# Altium PCB MPPT.PcbDoc (part 1 of 2) (continued)
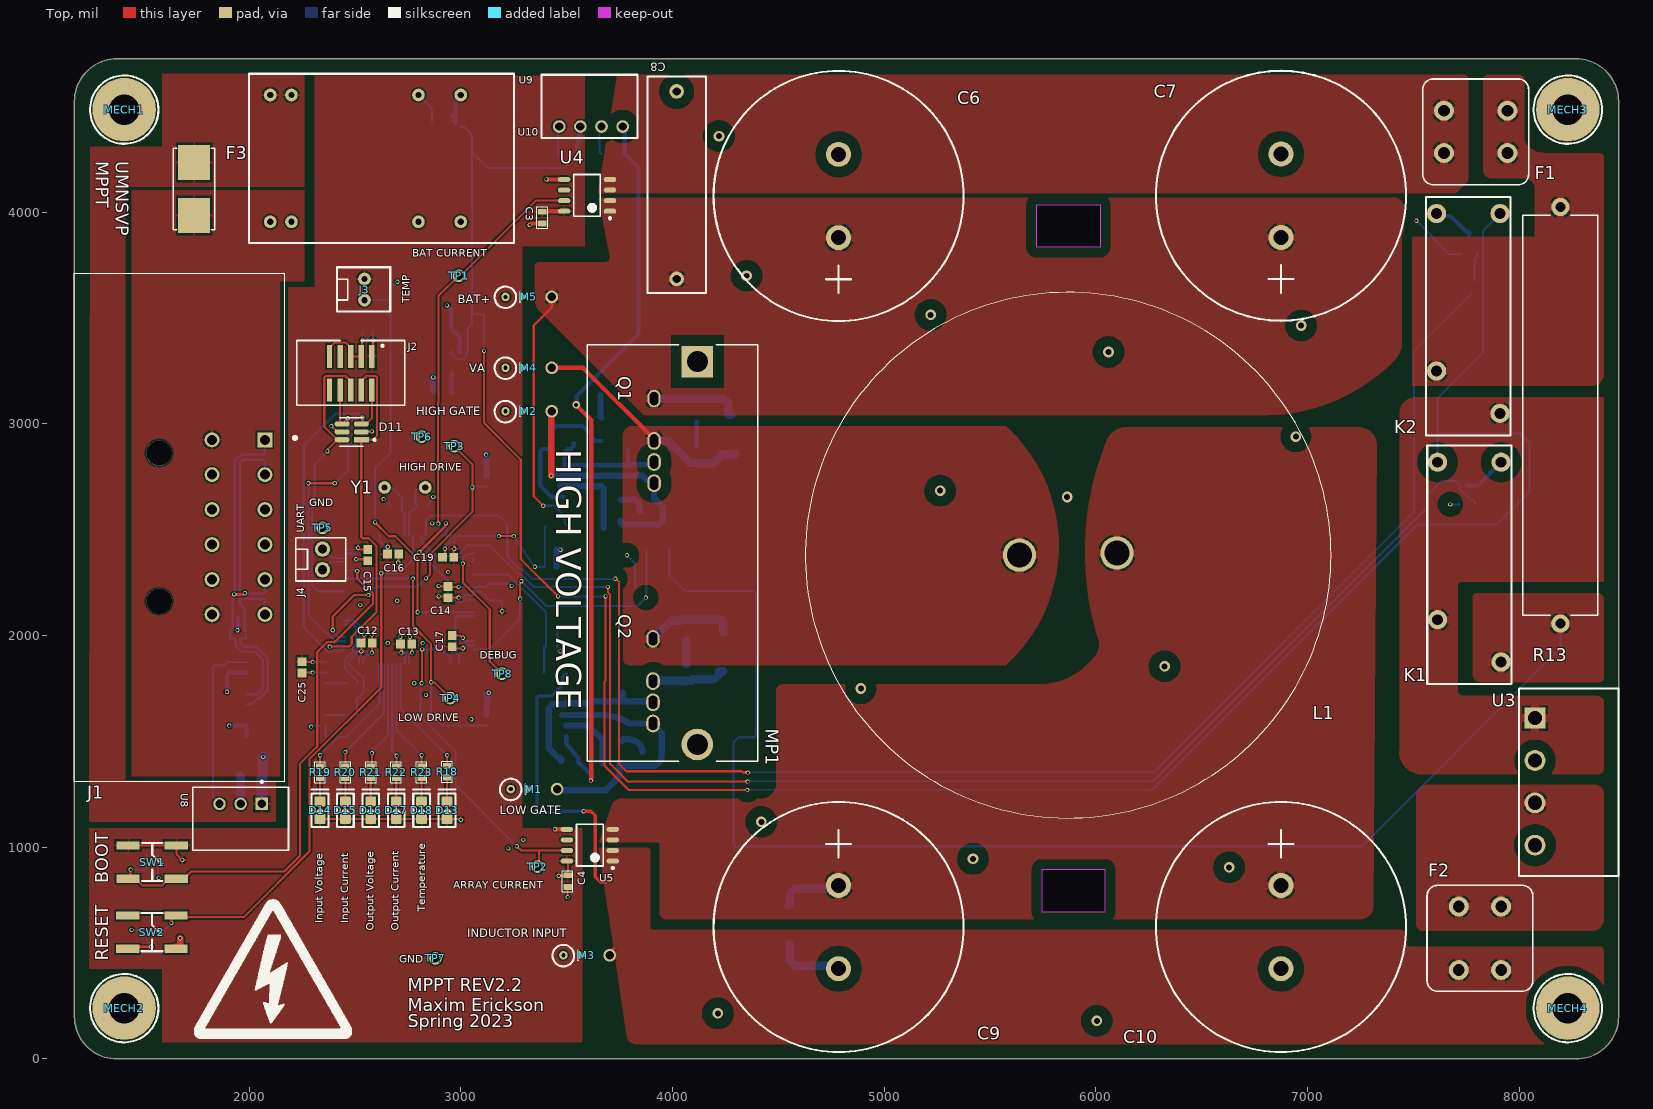
[diagram p0: Top view]
## Components (designator, comment, footprint, x,y, rotation, side; value= is the part's Value field where it differs from the comment)
C1 "C1206X334K5RACAUTO" 1206_CAPACITOR 3479.13,2910 r180 bottom value=330nF
C2 "CAP 0805 1uF 50V" 0805_Capacitor 3515,1410 r0 bottom value=1µF
C3 "C0603C473K4RECAUTO" 0603_CAPACITOR 3385,3975 r90 top value=47nF
C4 "C0603C473K4RECAUTO" 0603_CAPACITOR 3505,840 r90 top value=47nF
C5 "C0805C681K2RAC7800" 0805_Capacitor 4115,2855 r90 bottom value=680pF
C6 "381LR681M200K022" 381LR681M200J032-Footprint-1 4785,4273.7 r270 top value=680µF
C7 "381LR681M200K022" 381LR681M200J032-Footprint-1 6875,4275 r270 top value=680µF
C8 "684MMR400K" 684MMR400K-Footprint-1 4020,4570.83 r270 top value=680nF
C9 "381LR681M200K022" 381LR681M200J032-Footprint-1 4785,426.3 r90 top value=680µF
C10 "381LR681M200K022" 381LR681M200J032-Footprint-1 6875,426.3 r90 top value=680µF
C11 "C0805C681K2RAC7800" 0805_Capacitor 4065,1825 r90 bottom value=680pF
C12 "Capacitor 0.1uF +/-10% 50 V 0603" CAPC1608X90X40ML10T20 2555,1965 r180 top value=100nF
C13 "Capacitor 0.1uF +/-10% 50 V 0603" CAPC1608X90X40ML10T20 2741.57,1960 r180 top value=100nF
C14 "Capacitor 0.1uF +/-10% 50 V 0603" CAPC1608X90X40ML10T20 2940,2205 r270 top value=100nF
C15 "Capacitor 0.1uF +/-10% 50 V 0603" CAPC1608X90X40ML10T20 2560,2380 r90 top value=100nF
C16 "Capacitor 0.1uF +/-10% 50 V 0603" CAPC1608X90X40ML10T20 2680,2385 r180 top value=100nF
C17 "Capacitor 0.1uF +/-10% 50 V 0603" CAPC1608X90X40ML10T20 2960,1973.43 r270 top value=100nF
C18 "CAP 0805 1uF 50V" 0805_Capacitor 3190,2205 r90 bottom value=1µF
C19 "Capacitor 0.1uF +/-10% 50 V 0603" CAPC1608X90X40ML10T20 2940,2370 r0 top value=100nF
C20 "Capacitor 0.1uF +/-10% 50 V 0603" CAPC1608X90X40ML10T20 1542.44,965 r180 bottom value=100nF
C21 "Capacitor 0.1uF +/-10% 50 V 0603" CAPC1608X90X40ML10T20 1542.44,610 r0 bottom value=100nF
C22 "Capacitor 18pF 0603 50V 10%" 0603_CAPACITOR 2690,2615 r0 bottom value=18pF
C23 "Capacitor 18pF 0603 50V 10%" 0603_CAPACITOR 2820,2615 r180 bottom value=18pF
C24 "Capacitor 0.1uF +/-10% 50 V 0603" CAPC1608X90X40ML10T20 2560,3440 r0 bottom value=100nF
C25 "Capacitor 0.1uF +/-10% 50 V 0603" CAPC1608X90X40ML10T20 2250,1850 r90 top value=100nF
C26 "Capacitor 0.1uF +/-10% 50 V 0603" CAPC1608X90X40ML10T20 1895,1845 r270 bottom value=100nF
C27A "Capacitor 13pF 0603 5% 50V" 0603_CAPACITOR 3430,1930 r180 bottom value=13pF (schematic designator C27)
C27B "Capacitor 13pF 0603 5% 50V" 0603_CAPACITOR 3425,2405 r180 bottom value=13pF (schematic designator C27)
C27C "Capacitor 13pF 0603 5% 50V" 0603_CAPACITOR 3850,2225 r0 bottom value=13pF (schematic designator C27)
C28 "Cap Cerem 10uF 10% 50V" 1210_Capacitor 2010,1340 r0 bottom value=10µF
C29 "Cap Cerem 10uF 10% 50V" 1210_Capacitor 2920,4420 r180 bottom value=10µF
C30 "CAP 0805 1uF 50V" 0805_Capacitor 3510,4275 r180 bottom value=1µF
C31 "Cap Cerem 10uF 10% 50V" 1210_Capacitor 3720,4275 r0 bottom value=10µF
C32 "CAP 0805 1uF 50V" 0805_Capacitor 2910,3155 r0 bottom value=1µF
C33 "CAP 0805 1uF 50V" 0805_Capacitor 2995,3455 r0 bottom value=1µF
D1 "SS1H20LW RVG" PMEG4010ER,115-Footprint-1 3550,3150 r0 bottom
D2 "TPSMF4L18A" TPSMF4L18A-Footprint-1 3600,2698.23 r90 bottom
D3 "PMEG4010ER,115" PMEG4010ER,115-Footprint-1 3960.24,2585 r180 bottom
D4 "PMEG4010ER,115" PMEG4010ER,115-Footprint-1 3970,1445 r180 bottom
D5 "TPSMF4L18A" TPSMF4L18A-Footprint-1 3600,1568.23 r90 bottom
D6 "TPSMF4L18A" TPSMF4L18A-Footprint-1 3790,2752.35 r90 bottom
D7 "TPSMF4L18A" TPSMF4L18A-Footprint-1 3765,1603.23 r90 bottom
D8 "SMB6F170AY" SMB6F170AY-Footprint-1 4280,3042.68 r270 bottom
D9 "SMB6F170AY" SMB6F170AY-Footprint-1 4553.47,724.49 r270 bottom
D10 "SMB6F170AY" SMB6F170AY-Footprint-1 4240,2015 r270 bottom
D11 "ESDA6V1BC6" FP-SOT23-6L-IPC_A 2484.69,2962.6 r180 top
D12 "ESDCAN24-2BLY" SOT23-3 1947.6,2046.34 r90 bottom
D13 "LED_0805_GREEN" 0805_LED_Green 2935,1175.01 r270 top value=GREEN
D14 "D_LED_0805_BLUE" 0805_LED_Blue 2335,1175.01 r270 top value=BLUE
D15 "LED_0805_RED" 0805_LED_Red 2455,1175.01 r270 top value=RED
D16 "LED_0805_GREEN" 0805_LED_Green 2575,1175.01 r270 top value=GREEN
D17 "D_LED_0805_YELLOW" 0805_LED_Yellow 2695,1175.01 r270 top value=Amber
D18 "D_LED_0805_YELLOW" 0805_LED_Yellow 2815,1175.01 r270 top value=Amber
F1 "F_3101.0040" F_FPG4 7795,4380 r90 top value=?
F2 "F_3101.0040" F_FPG4 7815,570 r0 top value=?
F3 "F_0142_1A" 0154_FUSE_HOLDER 1740,4110 r270 top
J1 "DTM13-12PA" TE_DTM13-12PA 1574.8,2512.6 r270 top locked
J2 "3221-10-0300-00" 3221-10-0300-00-Footprint-1 2580,3319.06 r180 top
J3 "J_640454-2" 640454-2 2545,3635 r270 top
J4 "J_640456-2" J_640456-2 2346.65,2360 r90 top
K1 "J117F1AS5VDC" J117F1AS5VDC-Footprint 7615,2819.09 r90 top
K2 "J117F1AS5VDC" J117F1AS5VDC-Footprint 7610,3994.09 r90 top
L1 "ATCA-08-471M-H" ATCA-08-471M-H-Footprint-1 5869.69,2380 r180 top value=470uH
M1 "Probe tip connection" "Probe tip connection-Footprint-1" 3455,1275 r180 top
M2 "Probe tip connection" "Probe tip connection-Footprint-1" 3430,3060 r180 top
M3 "Probe tip connection" "Probe tip connection-Footprint-1" 3703.7,490 r180 top
M4 "Probe tip connection" "Probe tip connection-Footprint-1" 3430,3265 r180 top
M5 "Probe tip connection" "Probe tip connection-Footprint-1" 3430,3600 r180 top
MECH1 "MECH_STANDOFF_6-32_0.625in" STANDOFF_6-32_0.625in 1410,4485 r0 top
MECH2 "MECH_STANDOFF_6-32_0.625in" STANDOFF_6-32_0.625in 1410,240 r0 top
MECH3 "MECH_STANDOFF_6-32_0.625in" STANDOFF_6-32_0.625in 8230,4485 r0 top
MECH4 "MECH_STANDOFF_6-32_0.625in" STANDOFF_6-32_0.625in 8230,240 r0 top
MP1 "C247-050-2AE" FP-C247-050-2AE-MFG 4000,2390 r270 top
Q1 "UJ4SC075006K4S" "T_TO_247_4L_UNITEDSIC - Vertical" 3913.15,3120 r270 top
Q2 "UJ4SC075006K4S" "T_TO_247_4L_UNITEDSIC - Vertical" 3908.15,1985 r270 top
Q3 "NVTR4503NT1G" SOT-23_N 7755,2665 r90 bottom
Q4 "NVTR4503NT1G" SOT-23_N 7765,3850 r90 bottom
R1 "R_CRCW12102R70JNEA" 1210_Resistor 3665,2995 r90 bottom value=2.7
R2 "RMCF0805JT39R0" 0805_Resistor 3715,2530 r0 bottom value=39
R3 "CRCW08054R02FKEA" 0805_Resistor 3715,2640 r0 bottom value=4.02
R4 "RMCF0805JT39R0" 0805_Resistor 3720,1390 r0 bottom value=39
R5 "CRCW08054R02FKEA" 0805_Resistor 3720,1500 r0 bottom value=4.02
R6 "Resistor 1210 10 ohm 1%" 1210_Resistor 4115,3065 r90 bottom value=10
R7 "Resistor 1210 10 ohm 1%" 1210_Resistor 4065,2020 r90 bottom value=10
R8 "Res 0603 100K ohm 1%" 0603_RESISTOR 1542.44,895 r180 bottom value=100k
R9 "Res 0603 22.1 ohm 1%" 0603_RESISTOR 2487.56,1775 r180 bottom value=22
R10 "Res 0603 22.1 ohm 1%" 0603_RESISTOR 2482.56,1625 r180 bottom value=22
R11A "Resistor 200K 1206 1% 1/4W" 1206_RESISTOR 3445,1820 r0 bottom value=200k (schematic designator R11)
R11B "Resistor 200K 1206 1% 1/4W" 1206_RESISTOR 3455,2515 r0 bottom value=200k (schematic designator R11)
R11C "Resistor 200K 1206 1% 1/4W" 1206_RESISTOR 3930,2415 r0 bottom value=200k (schematic designator R11)
R12A "Resistor 4.22k 0603 0.1W 1%" 0603_RESISTOR 3430,2010 r180 bottom value=4.22k (schematic designator R12)
R12B "Resistor 4.22k 0603 0.1W 1%" 0603_RESISTOR 3425,2325 r180 bottom value=4.22k (schematic designator R12)
R12C "Resistor 4.22k 0603 0.1W 1%" 0603_RESISTOR 3850,2300 r0 bottom value=4.22k (schematic designator R12)
R13 "SQPW10220RJ" R_Res_Axial_SQP_THRU 8195,3040.75 r270 top value=220
R14 "R 0603 220 ohm 1%" 0603_RESISTOR 7565,2640 r90 bottom value=220
R15 "Resistor 100k +/-1% 0603 100 mW" RESC1608X55X25ML10T15 7695,2760.47 r270 bottom value=100k
R16 "R 0603 220 ohm 1%" 0603_RESISTOR 7790,3642.56 r90 bottom value=220
R17 "Resistor 100k +/-1% 0603 100 mW" RESC1608X55X25ML10T15 7760,3740 r0 bottom value=100k
R18 "Res 0603 1K ohm 1%" 0603_RESISTOR 2935,1357.57 r270 top value=1k
R19 "Res 0603 1K ohm 1%" 0603_RESISTOR 2335,1355.01 r270 top value=1k
R20 "Res 0603 1K ohm 1%" 0603_RESISTOR 2455,1355.01 r270 top value=1k
R21 "Res 0603 1K ohm 1%" 0603_RESISTOR 2575,1355.01 r270 top value=1k
R22 "Res 0603 1K ohm 1%" 0603_RESISTOR 2695,1355.01 r270 top value=1k
R23 "Res 0603 1K ohm 1%" 0603_RESISTOR 2815,1355.01 r270 top value=1k
R24 "Res 0603 10K ohm 1%" 0603_RESISTOR 2670,3615 r270 bottom value=10k
SW1 "SW_TACT_SWITCH_6x6" TACT_SWITCH_6x6_J-LEAD 1542.44,930 r180 top
SW2 "SW_TACT_SWITCH_6x6" TACT_SWITCH_6x6_J-LEAD 1540.83,598.74 r180 top
TP1 "TEST POINT PC MINI .040\"D WHITE" "TEST POINT 0.040\" WHITE" 2990,3700 r0 top
TP2 "TEST POINT PC MINI .040\"D WHITE" "TEST POINT 0.040\" WHITE" 3362.13,908.78 r0 top
TP3 "TEST POINT PC MINI .040\"D WHITE" "TEST POINT 0.040\" WHITE" 2970,2895 r0 top
TP4 "TEST POINT PC MINI .040\"D WHITE" "TEST POINT 0.040\" WHITE" 2950,1705 r0 top
TP5 "TEST POINT PC MINI .040\"D BLACK" "TEST POINT 0.040\" BLACK"#1 2355,2535 r0 top
TP6 "TEST POINT PC MINI .040\"D BLACK" "TEST POINT 0.040\" BLACK"#2 2815,2940 r0 top
TP7 "TEST POINT PC MINI .040\"D BLACK" "TEST POINT 0.040\" BLACK"#2 2880,475 r0 top
TP8 "TEST POINT PC MINI .040\"D WHITE" "TEST POINT 0.040\" WHITE" 3195,1820 r90 top
U1 "ADUM4121ARIZ" FP-RI-8-1-IPC_B 3310,2730 r0 bottom
U2 "ADUM4121ARIZ" FP-RI-8-1-IPC_B 3310,1600 r0 bottom
U3 "1757268" 1757268-Footprint-1 8075,1610 r270 top
U4 "TMCS1101A2UQDRQ1" SOIC127P610X173-8N 3596.73,4080 r180 top
U5 "TMCS1101A2UQDRQ1" SOIC127P610X173-8N 3610,1010 r180 top
U6 "STM32G473VET6" TSQFP50P1600X1600X160-100N 2755,2170 r270 bottom locked
U7 "ADM3050EBRWZ" SOIC127P1030X265-16N 2175,1700 r180 bottom
U8 "R-785.0-0.5" REPO-R-78XX-3_V 1960,1205 r180 top
U9 "DH06S2405A" DH06S2405A-Footprint-1 2100,4554.21 r180 top
U10 "RI-0515S/P" ROE-2405S-Footprint-1 3465,4405 r0 top
U11 "LP5907MFX-3.3/NOPB" FP-DBV0005A-MFG 2995,3290 r270 bottom
Y1 "ECS-80-18-4X-CKM" ECS-80-18-4X-CKM-Footprint-1 2832.13,2700 r180 top

## Footprints (in the part's own frame and the unit in brackets; to place one, negate y for a bottom-side part, rotate by r counter-clockwise, add the part's x,y. Pads: shape width x height; smd on the part's side, far side on the other; paste and mask are expansions set on the pad)
0154_FUSE_HOLDER [mm] "FUSE BLOK CARTRIDGE 125V 10A SMD"
  rect 4.24x3.81 smd: 1(-3.185,0) 2(3.185,0)
  silkscreen extent -4.9,-2.5 4.9,2.5, body extent -4.91,-2.51 4.92,2.51, height 3.81
381LR681M200J032-Footprint-1 [mm]
  round 3 hole 1.8: 1(0,0) 2(10,0)
  silkscreen extent -10,-15 20,15, body extent -10.5,-15.5 20.5,15.5, height 32.1
0603_CAPACITOR [mm] "0603 Capacitor"
  rect 0.7x1 smd: 1(-0.7,0) 2(0.7,0)
  silkscreen extent -1.27,-0.64 1.27,0.64, body extent -0.8,-0.4 0.8,0.4, height 0.3
0603_RESISTOR [mm] "0603 RESISTOR"
  rect 0.7x1 smd: 1(-0.7,0) 2(0.7,0)
  silkscreen extent -1.27,-0.64 1.27,0.64, body extent -0.8,-0.4 0.8,0.4, height 0.3
684MMR400K-Footprint-1 [mm]
  round 1.75 hole 1: 1(0,0) 2(22.5,0)
  silkscreen extent -1.8,-3.5 24.2,3.5, body extent -1.78,-3.56 24.13,3.56, height 16
0805_Capacitor [mil] "0805 Capacitor"
  rect 45x60 smd: 1(-40,0) 2(40,0)
  silkscreen extent -70,-37 70,37, body extent -39,-25 39,25, height 30
0805_LED_Blue [mm] "Chip Capacitor; Body 2.0 x 1.2 mm (LxW typ)"
  rrect25% 1.2x1.3 smd: 1(1.05,0) 2(-1.05,0)
  silkscreen extent -2.5,-1 2,1, body extent -1.02,-0.64 0.99,0.61, height 0.79
0805_LED_Green [mm] "Chip Capacitor; Body 2.0 x 1.2 mm (LxW typ)"
  rrect25% 1.2x1.3 smd: 1(1.05,0) 2(-1.05,0)
  silkscreen extent -2.5,-1 2,1, body extent -1.02,-0.64 0.99,0.61, height 0.79
0805_LED_Red [mm] "Chip Capacitor; Body 2.0 x 1.2 mm (LxW typ)"
  rrect25% 1.2x1.3 smd: 1(1.05,0) 2(-1.05,0)
  silkscreen extent -2.5,-1 2,1, body extent -1.02,-0.64 0.99,0.61, height 0.79
0805_LED_Yellow [mm] "Chip Capacitor; Body 2.0 x 1.2 mm (LxW typ)"
  rrect25% 1.2x1.3 smd: 1(1.05,0) 2(-1.05,0)
  silkscreen extent -2.5,-1 2,1, body extent -1.02,-0.64 0.99,0.61, height 0.79
0805_Resistor [mil] "0805 Resistor"
  rect 45x60 smd: 1(-40,0) 2(40,0)
  silkscreen extent -70,-37 70,37, body extent -39,-25 39,25, height 31
1206_CAPACITOR [mm] "1206 Resistor/Capacitor"
  rect 1.25x2 smd: 1(-1.375,0) 2(1.375,0)
  silkscreen extent -2.2,-1.2 2.2,1.2, body extent -1.6,-0.8 1.6,0.8, height 1
1206_RESISTOR [mm] "1206 Resistor"
  rect 1.25x2 smd: 1(-1.375,0) 2(1.375,0)
  silkscreen extent -2.2,-1.2 2.2,1.2, body extent -1.6,-0.8 1.6,0.8, height 1
1210_Capacitor [mil] "1210 Capacitor"
  rect 65x110 smd: 1(-55,0) 2(55,0)
  silkscreen extent -95,-62 95,62, body extent -84,-54 82,52, height 36
1210_Resistor [mm] "1210 Resistor"
  rrect25% 1.25x2.8 smd: 1(-1.397,0) 2(1.397,0)
  silkscreen extent -2.29,-1.57 2.29,1.57, body extent -1.55,-1.3 1.55,1.3, height 0.47
3221-10-0300-00-Footprint-1 [mm]
  rect 0.65x2.76 smd: 1(0,0) 2(0,4.04) 3(1.27,0) 4(1.27,4.04) 5(2.54,0) 6(2.54,4.04) 7(3.81,0) 8(3.81,4.04) 9(5.08,0) 10(5.08,4.04)
  silkscreen extent -3.94,-1.91 9.02,5.84, body extent -3.78,-0.73 8.86,4.77, height 5.63
640454-2 [mil]
  round 60 hole 30: 1(-50,0) 2(50,0)
  silkscreen extent -105,-130 104,122, body extent -100,-128 100,122, height 421
1757268-Footprint-1 [mm]
  rect 2.5x2.5 hole 1.7: 1(0,0)
  round 2.5 hole 1.7: 2(5.08,0) 3(10.16,0) 4(15.24,0)
  silkscreen extent -3.56,-1.91 18.92,10.03, body extent -3.54,-1.97 18.78,10.03, height 8.6
ATCA-08-471M-H-Footprint-1 [mm]
  round 4 hole 3: 1(-5.85,-0.254) 2(5.85,0)
  silkscreen extent -31.54,-31.54 31.54,31.54, body extent -31.54,-31.54 31.54,31.54, height 25.91
CAPC1608X90X40ML10T20 [mm] "Chip Capacitor, 2-Leads, Body 1.70x0.90mm, IPC Low Density"
  rect 1.05x1.05 smd: 1(-0.675,0) 2(0.675,0)
  body extent -0.85,-0.45 0.85,0.45, height 0.9
DH06S2405A-Footprint-1 [mil]
  round 60 hole 30: 2(0,599.21) 3(-100,599.21) 9(-700,599.21) 11(-900,599.21) 14(-900,0) 16(-700,0) 22(-100,0) 23(0,0)
  silkscreen extent -1152,-100 100,699, body extent -1145,-95 95,695, height 402
ECS-80-18-4X-CKM-Footprint-1 [mil]
  round 60 hole 30: 1(0,0) 2(192.13,0)
  body extent -128,-93 318,90, height 138
F_FPG4 [mm] "Schurter FPG4 Fuse Holder"
  round 2.4 hole 1.4: 1(-2.54,3.81) 1(2.54,3.81) 2(-2.54,-3.81) 2(2.54,-3.81)
  silkscreen extent -6.35,-6.35 6.35,6.35, body extent -6.25,-6.25 6.25,6.25, height 32.61
FP-C247-050-2AE-MFG [mm]
  rect 3.8x3.8 hole 2.5 paste-1000 mask+0: 1(-22.97,2.995)
  round 3.8 hole 2.5 paste-1000 mask+0: 2(22.97,2.995)
  silkscreen extent -25,-10.24 25,10.24, body extent -25.1,-10.34 25.1,10.34, height 0.25
FP-DBV0005A-MFG [mm]
  rrect17% 1.1x0.6 smd paste+0 mask+0: 1(-1.3,0.95) 2(-1.3,0) 3(-1.3,-0.95) 4(1.3,-0.95) 5(1.3,0.95)
  silkscreen extent -2.55,-1.53 0.87,1.52, body extent -1.4,-1.45 1.4,1.45, height 1.45
FP-RI-8-1-IPC_B [mil]
  rect 65.16x22.92 smd paste+0 mask+0: 1(-188.21,75)
  rrect100% 65.16x22.92 smd paste+0 mask+0: 2(-188.21,25) 3(-188.21,-25) 4(-188.21,-75) 5(188.21,-75) 6(188.21,-25) 7(188.21,25) 8(188.21,75)
  silkscreen extent -245,-115 136,115, body extent -203,-115 203,115, height 97
FP-SOT23-6L-IPC_A [mm]
  rect 1.805x0.616 smd paste+0 mask+0: 1(-1.151,0.95)
  rrect100% 1.805x0.616 smd paste+0 mask+0: 2(-1.151,0) 3(-1.151,-0.95) 4(1.151,-0.95) 5(1.151,0) 6(1.151,0.95)
  silkscreen extent -2.88,-1.71 1.4,1.71, body extent -2.55,-1.96 2.55,1.96, height 0.25
J117F1AS5VDC-Footprint [mm]
  round 2.3 hole 1.3: 1(0,-7.62) 2(0,0) 3(-18.9,0) 4(-23.98,-7.62)
  silkscreen extent -26.62,-8.87 2,1.25, body extent -26.61,-8.84 1.99,1.26, height 12.65
J_640456-2 [mm] "TE Connectivity 640456-2"
  round 1.85 hole 1.1: 1(-1.24,0) 2(1.24,0)
  silkscreen extent -2.6,-2.8 2.6,3.2, body extent -2.54,-2.7 2.54,3.14, height 10.04
PMEG4010ER,115-Footprint-1 [mm]
  rect 1.1x1.1 smd: 1(2.8,0) 2(0,0)
  silkscreen extent 3.43,1.02 3.68,1.27, body extent -0.35,-1.09 3.15,0.91, height 1.05
"Probe tip connection-Footprint-1" [mil]
  round 40 hole 20: 0(218.7,0)
  round 60 hole 40: 1(0,0)
  silkscreen extent 120,-49 270,53
R_Res_Axial_SQP_THRU [mm]
  round 2.2 hole 1.2: 1(-25,0) 2(25,0)
  silkscreen extent -24,-4.5 24,4.5, body extent -24.9,-4.5 24.9,4.5, height 10.55
REPO-R-78XX-3_V [mm] "Module, 3-Leads, Body 11.5x7.55mm, Pitch 2.54mm"
  rect 1.5x1.5 hole 1: 1(-2.54,0)
  round 1.5 hole 1: 2(0,0) 3(2.54,0)
  silkscreen extent -5.75,-2.77 5.75,5.55, body extent -5.75,-2 5.75,5.55, height 10.2
RESC1608X55X25ML10T15 [mm] "Chip Resistor, 2-Leads, Body 1.70x0.90mm, IPC Low Density"
  rect 0.8x1 smd: 1(-0.75,0) 2(0.75,0)
  body extent -0.85,-0.45 0.85,0.45, height 0.55
ROE-2405S-Footprint-1 [mil]
  round 60 hole 39.37: 1(0,0) 2(100,0) 3(200,0) 4(300,0)
  silkscreen extent -83,-54 370,245, body extent -75,-50 365,239, height 394
SMB6F170AY-Footprint-1 [mm]
  rect 1.2x2.07 smd: 1(0,0) 2(4.64,0)
  silkscreen extent -1.14,-1.4 5.71,2.34, body extent 0.7,-1.13 3.94,1.13, height 1.1
SOIC127P610X173-8N [mm] "SOIC, 8-Leads, Body 4.90x3.90mm, Pitch 1.27mm, IPC Medium Density"
  oval 1.5x0.6 smd: 1(-2.75,1.905) 2(-2.75,0.635) 3(-2.75,-0.635) 4(-2.75,-1.905) 5(2.75,-1.905) 6(2.75,-0.635) 7(2.75,0.635) 8(2.75,1.905)
  silkscreen extent -2.88,-2.5 1.6,2.88, body extent -3.03,-2.5 3.03,2.5, height 1.73
SOIC127P1030X265-16N [mm] "SOIC, 16-Leads, Body 10.30x7.50mm, Pitch 1.27mm, IPC Medium Density"
  oval 1.9x0.6 smd: 1(-4.75,4.445) 2(-4.75,3.175) 3(-4.75,1.905) 4(-4.75,0.635) 5(-4.75,-0.635) 6(-4.75,-1.905) 7(-4.75,-3.175) 8(-4.75,-4.445) 9(4.75,-4.445) 10(4.75,-3.175) 11(4.75,-1.905) 12(4.75,-0.635) 13(4.75,0.635) 14(4.75,1.905) 15(4.75,3.175) 16(4.75,4.445)
  silkscreen extent -4.88,-5.25 3.4,5.42, body extent -5.16,-5.25 5.16,5.25, height 2.65
SOT23-3 [mm] "SOT23, 3-Leads, Body 3.0x2.7mm (max), Pitch 0.95mm, IPC Medium Density"
  rrect50% 1.4x0.6 smd: 1(-1.05,0.95) 2(-1.05,-0.95) 3(1.05,0)
  silkscreen extent -1.22,-1.5 0.76,1.73, body extent -1.21,-1.1 0.99,1.1, height 1.1
SOT-23_N [mm] "SOT23, 3-Leads, Body 2.9x1.3mm, Pitch 0.95mm, Lead Span 2.3mm, IPC Medium Density"
  rect 1.15x0.6 smd: 1(-1.125,0.95) 2(-1.125,-0.95) 3(1.125,0)
  silkscreen extent -1.25,-1.5 0.7,1.93, body extent -0.7,-1.5 0.7,1.5, height 1.11
STANDOFF_6-32_0.625in [mil] "Standoff for 6-32 screw, 0.625 inches tall"
  round 300 hole 144 paste+0: 1(0,0)
  silkscreen extent -161,-161 161,161, body extent -125,-144 125,144, height 340
"T_TO_247_4L_UNITEDSIC - Vertical" [mil] "T_TO_247_4L_UNITEDSIC No heatsink"
  oval 82x62 hole 42 slot 62 at 0 deg: 1(0,0)
  oval 84x64 hole 42 slot 62 at 0 deg: 2(200,0) 3(300,0) 4(400,0)
  body extent -115,-87 513,110, height 990
TACT_SWITCH_6x6_J-LEAD [mm] "SWITCH TACTILE SPST-NO"
  rect 2.8x1 smd: 1(-2.9,2) 2(-2.9,-2) 3(2.9,-2) 4(2.9,2)
  silkscreen extent -1.25,-2.29 1.25,2.29, body extent -3.4,-3.1 3.4,3.1, height 3.48
TE_DTM13-12PA [mm]
  rect 1.8x1.8 hole 1.2: 1(-10.48,12.7)
  round 1.8 hole 1.2: 2(-6.29,12.7) 3(-2.1,12.7) 4(2.1,12.7) 5(6.29,12.7) 6(10.48,12.7) 7(10.48,6.35) 8(6.29,6.35) 9(2.1,6.35) 10(-2.1,6.35) 11(-6.29,6.35) 12(-10.48,6.35)
  round 3.04 hole 3.04 unplated: ""(-8.89,0) ""(8.89,0)
  silkscreen extent -30.48,-10.16 30.48,16.5, body extent -30.48,-23.1 30.48,15.11, height 34.29
"TEST POINT 0.040\" BLACK"#1 [mil]
  round 60 hole 40: 0(-8.35,-26.18)
  body extent -62,-62 63,63, height 320
"TEST POINT 0.040\" BLACK"#2 [mil]
  round 60 hole 40: 0(0,0)
  body extent -62,-62 63,63, height 320
"TEST POINT 0.040\" WHITE" [mil]
  round 60 hole 40: 0(0,0)
  body extent -62,-62 63,63, height 320
TPSMF4L18A-Footprint-1 [mm]
  rect 0.98x1.25 smd: 1(3.22,0) 2(0,0)
  silkscreen extent -0.25,1.27 0,1.52, body extent 0,-0.89 3.3,0.89, height 1.08
TSQFP50P1600X1600X160-100N [mm] "TSQFP, 100-Leads, Body 14.00x14.00mm, Pitch 0.50mm, IPC Medium Density"
  oval 1.45x0.3 smd: 1(-7.725,6) 2(-7.725,5.5) 3(-7.725,5) 4(-7.725,4.5) 5(-7.725,4) 6(-7.725,3.5) 7(-7.725,3) 8(-7.725,2.5) 9(-7.725,2) 10(-7.725,1.5) 11(-7.725,1) 12(-7.725,0.5) 13(-7.725,0) 14(-7.725,-0.5) 15(-7.725,-1) 16(-7.725,-1.5) 17(-7.725,-2) 18(-7.725,-2.5) 19(-7.725,-3) 20(-7.725,-3.5) 21(-7.725,-4) 22(-7.725,-4.5) 23(-7.725,-5) 24(-7.725,-5.5) 25(-7.725,-6) 51(7.725,-6) 52(7.725,-5.5) 53(7.725,-5) 54(7.725,-4.5) 55(7.725,-4) 56(7.725,-3.5) 57(7.725,-3) 58(7.725,-2.5) 59(7.725,-2) 60(7.725,-1.5) 61(7.725,-1) 62(7.725,-0.5) 63(7.725,0) 64(7.725,0.5) 65(7.725,1) 66(7.725,1.5) 67(7.725,2) 68(7.725,2.5) 69(7.725,3) 70(7.725,3.5) 71(7.725,4) 72(7.725,4.5) 73(7.725,5) 74(7.725,5.5) 75(7.725,6)
  oval 0.3x1.45 smd: 26(-6,-7.725) 27(-5.5,-7.725) 28(-5,-7.725) 29(-4.5,-7.725) 30(-4,-7.725) 31(-3.5,-7.725) 32(-3,-7.725) 33(-2.5,-7.725) 34(-2,-7.725) 35(-1.5,-7.725) 36(-1,-7.725) 37(-0.5,-7.725) 38(0,-7.725) 39(0.5,-7.725) 40(1,-7.725) 41(1.5,-7.725) 42(2,-7.725) 43(2.5,-7.725) 44(3,-7.725) 45(3.5,-7.725) 46(4,-7.725) 47(4.5,-7.725) 48(5,-7.725) 49(5.5,-7.725) 50(6,-7.725) 76(6,7.725) 77(5.5,7.725) 78(5,7.725) 79(4.5,7.725) 80(4,7.725) 81(3.5,7.725) 82(3,7.725) 83(2.5,7.725) 84(2,7.725) 85(1.5,7.725) 86(1,7.725) 87(0.5,7.725) 88(0,7.725) 89(-0.5,7.725) 90(-1,7.725) 91(-1.5,7.725) 92(-2,7.725) 93(-2.5,7.725) 94(-3,7.725) 95(-3.5,7.725) 96(-4,7.725) 97(-4.5,7.725) 98(-5,7.725) 99(-5.5,7.725) 100(-6,7.725)
  silkscreen extent -7.85,-6.6 6.6,6.82, body extent -8,-8 8,8, height 1.6

## Part data
C1: library part CMP-001-00124-1, "Ceramic Capacitor, Multilayer, Ceramic, 50V, 10% +Tol, 10% -Tol, X7R, 15% TC, 0.33uF, Surface Mount, 1206", Capacitor Type=Ceramic, Case/Package=1206, Max Operating Temperature=125°C, Min Operating Temperature=-55°C, Tolerance=10%, Voltage Rating=50V, Mounting Technology=SMD, Pins=2
C2 C18 C30 C32 C33: library part CMP-001-00098-1, Capacitor Type=Ceramic, Case/Package=0805, Tolerance=10%, Voltage Rating=50V, Mounting Technology=SMT
C3 C4: library part CMP-001-00133-1, "Ceramic Capacitor, Multilayer, Ceramic, 16V, 10% +Tol, 10% -Tol, X7R, 15% TC, 0.047uF, Surface Mount, 0603", Capacitor Type=Ceramic, Case/Package=0603, Tolerance=10%, Voltage Rating=16V, Mounting Technology=SMD
C5 C11: library part CMP-001-00128-1, "Ceramic Capacitor, Multilayer, Ceramic, 200V, 10% +Tol, 10% -Tol, X7R, -/+15ppm/Cel TC, 0.00068uF, 0805", Capacitor Type=Ceramic, Case/Package=0805, Max Operating Temperature=125°C, Min Operating Temperature=-55°C, Tolerance=10%, Voltage Rating=200V, Mounting Technology=SMD, Pins=2
C6 C7 C9 C10: library part CMP-001-00126-3, "Aluminum Electrolytic Capacitor, Polarized, Aluminum (wet), 200V, 20% +Tol, 20% -Tol, 680uF, Through Hole Mount", Capacitor Type=Aluminium, Case/Package=Can, Max Operating Temperature=105°C, Min Operating Temperature=-40°C, Ripple Current=2.42A, Ripple Current (AC)=3.45A, Tolerance=20%, Voltage Rating=200V, Mounting Technology=TH, Pins=2
C8: library part CMP-001-00127-2, "Film Capacitor, Polyester, 400V, 10% +Tol, 10% -Tol, 0.68uF, Through Hole Mount", Capacitor Type=FILM, Case/Package=Bulk, Max Operating Temperature=85°C, Min Operating Temperature=-55°C, Tolerance=10%, Voltage Rating=200V, Mounting Technology=TH, Pins=2
C12 C13 C14 C15 C16 C17 C19 C20 C21 C24 C25 C26: library part CMP-001-00017-10, "Chip Capacitor, 0.1uF, +/- 10%, 50 V, 0603 (1608 Metric)", Capacitor Type=Ceramic, Case/Package=0603, Max Operating Temperature=125°C, Min Operating Temperature=-55°C, Tolerance=10%, Voltage Rating=50V, Mounting Technology=SMT, Pins=2
C22 C23: library part CMP-001-00108-2, "Capacitor 18pF ceramic 0603 10% 50V", Capacitor Type=Ceramic, Case/Package=0603, Tolerance=10%, Voltage Rating=50V, Mounting Technology=SM
C27A C27B C27C: library part CMP-001-00121-1, "Ceramic Capacitor, Multilayer, Ceramic, 50V, 5% +Tol, 5% -Tol, C0G, 30ppm/Cel TC, 0.000013uF, Surface Mount, 0603", Capacitor Type=Ceramic, Case/Package=0603, Max Operating Temperature=125°C, Min Operating Temperature=-55°C, Tolerance=5%, Voltage Rating=50V, Mounting Technology=SMD
C28 C29 C31: library part CMP-001-00101-3, Capacitor Type=Ceramic, Case/Package=1210, Tolerance=10%, Voltage Rating=50V, Mounting Technology=SM
D1: library part CMP-004-00055-1, "Rectifier Diode Schottky 200V 1A 2-Pin SOD-123W T/R", Average Rectified Current=1A, Forward Voltage=490mV, Max Operating Temperature=150°C, Max Reverse Voltage (DC)=200V, Max Surge Current=40A, Forward Current=1A, Mounting Technology="Surface Mount", Packaging="Tape and Reel", Pins=2, RoHS Compliant=Yes
D2 D5 D6 D7: library part CMP-004-00053-2, "TVS DIODE 18V 29.2V SOD123FL", Clamping Voltage=29.2V, Max Operating Temperature=150°C, Min Breakdown Voltage=20V, Min Operating Temperature=-55°C, Peak Pulse Current=13.7A, Peak Pulse Power=400W, Power Line Protection=No, Resistor Type=Zener, Reverse Standoff Voltage=18V, Mounting Technology="Surface Mount", Number of Unidirectional Channels=1, Packaging="Cut Tape", RoHS Compliant=Yes
D3 D4: library part CMP-004-00045-1, "Rectifier Diode, Schottky, 1 Phase, 1 Element, 1A, 40V V(RRM), Silicon", Case/Package=SOD-123W, Forward Current=1A, Forward Voltage=490mV, Max Operating Temperature=150°C, Max Surge Current=40A, Peak Inverse Voltage=40V, Mounting Technology=SMD, Pins=2, RoHS Compliant=Yes
D8 D9 D10: library part CMP-004-00044-1, "TVS Diodes / ESD Suppressors Automotive 600 W, 170 V TVS in SMB Flat", Case/Package=SMBflat, Max Operating Temperature=175°C, Max Surge Current=2.2A, Min Operating Temperature=-55°C, Peak Inverse Voltage=170V, Mounting Technology=SMD, Pins=2, RoHS Compliant=Yes
D11: library part CMP-004-00048-1, "Trans Voltage Suppressor Diode, 80W, 5V V(RWM), Bidirectional, 4 Element, Silicon", Case/Package=SOT23-6L, Max Operating Temperature=150°C, Max Surge Current=8A, Peak Inverse Voltage=8V, Mounting Technology=SMD, Pins=6, RoHS Compliant=Yes
D12: library part CMP-004-00032-2, "ESD Suppressor TVS 24V Automotive 3-Pin SOT-23 T/R", Breakdown Voltage=27V, Capacitance=30pF, Case/Package=SOT-23, Clamping Voltage=43V, Leakage Current=100nA, Max Operating Temperature=150°C, Max Power Dissipation=230W, Min Breakdown Voltage=26.2V, Min Operating Temperature=-40°C, Package Quantity=1, Peak Pulse Current=5.5A, Power Line Protection=No, Resistor Type=Zener, Reverse Standoff Voltage=24V, Depth=1.3mm, Diode Type=ZENER, Direction=Bidirectional, Element Configuration=Dual, ESD Protection=Yes, Height=1.4mm, Lead Free="Lead Free", Length=2.9mm, Max Reverse Leakage Current=100nA, Mount="Surface Mount", Number of Bidirectional Channels=2, Number of Channels=2, Number of Pins=3, Packaging="Tape and Reel", Peak Pulse Power=230W, Polarity=Bidirectional, Radiation Hardening=No, REACH SVHC="No SVHC", RoHS Compliant=Yes, Series="Automotive, AEC-Q101, ESDCAY, TRANSIL™", Termination=SMD/SMT, Width=1.75mm, Working Voltage=24V
D13 D16: library part CMP-151-000025-2, "LED CHIPLED 570NM GREEN 0805 SMD", Current=20mA, Forward Voltage=2.2V, Manufacturer="Osram Opto Semiconductors Inc", Manufacturer PN="LG R971-KN-1-0-20-R18", Package=0805, Design Item ID=D_LED_0805_GREEN, Source=diode.SchLib, Supplier PN=475-1410-1-ND, SVP Creator="Nate Bolyard"
D14: library part CMP-151-000020-1, "LED 2X1.2MM 470NM BL WTR CLR SMD", Current=20mA, Forward Voltage=3.3, Manufacturer=Kingbright, Manufacturer PN=APT2012QBC/D, Package=0805, Design Item ID=D_LED_0805_BLUE, Source=diode.SchLib, Supplier PN=754-1437-1-ND, SVP Creator="Jonathan Nutzmann"
D15: library part CMP-151-000016-5, "LED CHIPLED 645NM RED DIFF 0805", Current=20mA, Forward Voltage=1.8V, Manufacturer="OSRAM Opto Semiconductors Inc", Manufacturer PN="LH R974-LP-1", Package=0805, Design Item ID=D_LED_0805_RED, Source=diode.SchLib, SVP Creator="Jonathan Nutzmann"
D17 D18: library part CMP-151-000028-1, "LED 595NM AMBER DIFF SMD 0805", Current=20mA, Forward Voltage=1.9, Manufacturer="Avago Technologies US Inc.", Manufacturer PN=HSMA-C170, Package=0805, Design Item ID=D_LED_0805_YELLOW, Source=diode.SchLib, Supplier PN=516-1431-1-ND, SVP Creator="Jonathan Nutzmann"
F1 F2: library part CMP-047-000004-2, "Fuse Holder 16A 500V 1 Circuit Cartridge PCB", Manufacturer=Schurter, Manufacturer Part Number=3101.0040, Max Current=16A, Max Operating Temperature=85°C, Min Operating Temperature=-40°C, Power Dissipation=2.5W, Voltage Rating (AC)=400V, Voltage Rating (DC)=250V, Approvals=UL,CSA,VDE,IEC,SEMKO, Body Material=Thermoplastic, Design Item ID=F_3101.0040, Source=misc.SchLib
F3: library part CMP-105-000000-1, Current=1A, Design Item ID=F_0142_1A, Source=Common.SchLib, SVP Creator="Spencer Berglund"
J1: library part CMP-183-000000-3, "12 way DTM13 A key Receptacle with PCB mount and 90 degree molded pins. Sealable, with centerline pitch .165 inch/4 millimeters. Gray.", Case/Package=12-DIP, Max Current Rating=11A, Voltage Rating=250V, Connector Type="COMBINATION LINE CONNECTOR", Gender=Male, Mounting Technology=TH, Pins=12, RoHS Compliant=Yes
J2: library part CMP-002-00077-1, "JTAG STLINK CONN HEADER SMD 10POS 1.27MM"
J3: library part CMP-009-000000-4, "2 Positions Header, Unshrouded Connector 0.100\" (2.54mm) Through Hole Tin", Max Current Rating=2A, Gender=Male, Mounting Technology=TH, Pins=2
J4: library part CMP-002-00087-1, "Connector Header Through Hole 2 position 0.100\" (2.54mm)", Contact Resistance=6mR, Current Rating=5A, Manufacturer="TE Connectivity", Manufacturer Part Number=640456-2, Max Operating Temperature=221°C, Min Operating Temperature=-67°C, Voltage Rating=250V, Design Item ID=J_640456-2, Source=connector.SchLib
K1 K2: library part CMP-008-00017-3, "Relay Gen Purpose SPST 10A 5V", Coil Voltage=5, Current Rating=10A, Max Operating Temperature=125°C, Min Operating Temperature=-55°C, Contact Form=SPST, Mounting Technology=TH, Operate Time=10ms, Pins=4, RoHS Compliant=yes
L1: library part CMP-006-00025-8, "Coustom wound inductor using 79617A7 core", Case/Package=torodial, Current Rating=11A, Max Operating Temperature=-40°C, Min Operating Temperature=105°C, Tolerance=20%, Max Current Rating=11A, Mounting Technology=TH, Pins=2, RoHS Compliant=Yes
M1 M2 M3 M4 M5: library part CMP-00028-00009-3, "Connection for oscilscope ground tip"
MECH1 MECH2 MECH3 MECH4: library part CMP-044-000005-2, "Hex Standoff Threaded #6-32 Aluminum 0.625\" (15.88mm) 5/8\"", Design Item ID=MECH_STANDOFF_6-32_0.625in, Source=mech.SchLib
MP1: library part CMP-00028-00008-1, "Heat Sink 2 TO-247 components", Mounting Technology=TH, Pins=2, RoHS Compliant=Yes
Q1 Q2: library part CMP-013-00040-6, "750V/6MOHM, Sic, Stacked Cascode", Case/Package="TO247 4L", Manufacturer Part Number=UF3SC065007K4S, Max Operating Temperature=125°C, Min Operating Temperature=-40°C, Heatsink PN=C247-025-1AE, Mounting Technology=TH, Nominal Vgs=15V, Pins=4, RoHS Compliant=Yes, Transistor Type=SIC, Vgs (Max)=20V, Vgs(th) (Max) @ Id=15
Q3 Q4: library part CMP-062-000014-2, "Small Signal Field-Effect Transistor, 1.5A I(D), 30V, 1-Element, N-Channel, Silicon, Metal-oxide Semiconductor FET, TO-236", Case/Package=SOT23, Max Operating Temperature=150°C, PackageReference=SOT-23, Pins=3, RoHS Compliant=Yes, Vgs(th) (Max) @ Id=1.5A
R1: library part CMP-058-000074-3, "RES SMD 2.7 OHM 5% 1/2W 1210", Case/Package=1210, Max Operating Temperature=155°C, Min Operating Temperature=-55°C, Power=500mW, Tolerance=5%, Voltage Rating=200V, Mounting Technology=SMD, Pins=2
R2 R4: library part "Resistor     0012-1", "Fixed Resistor, Metal Glaze/thick Film, 0.125W, 39ohm, 150V, 5% +/-Tol, 200ppm/Cel, Surface Mount, 0805", Case/Package=0805, Max Operating Temperature=155°C, Min Operating Temperature=-55°C, Power=125mW, Tolerance=5%, Mounting Technology=SMD, RoHS Compliant=Yes
R3 R5: library part "Resistor     0013-1", "Fixed Resistor, Metal Glaze/thick Film, 0.125W, 4.02ohm, 150V, 1% +/-Tol, 100ppm/Cel, Surface Mount, 0805", Case/Package=0805, Max Operating Temperature=155°C, Min Operating Temperature=-55°C, Power=125mW, Tolerance=1%, Mounting Technology=SMD, RoHS Compliant=Yes
R6 R7: library part CMP-00035-2, "Res Thick Film 1210 10 Ohm 1% 1/3W ±100ppm/°C Molded SMD SMD Plastic T/R", Power=0.5W, Tolerance=1%, Voltage Rating=200V
R8: library part CMP-058-000032-7, "RES 100K OHM 1/16W 1% 0603 SMD", Case/Package=0603, Power=62.5mW, Tolerance=1%, Mounting Technology=SMD, Pins=2
R9 R10: library part CMP-058-000007-6, "RES 22 OHM 1/16W 1% 0603 SMD", Case/Package=0603, Power=62.5mW, Tolerance=1%, Mounting Technology=SMD, Pins=2
R11A R11B R11C: library part "Resistor     0007-1", Case/Package=1206, Max Operating Temperature=155°C, Min Operating Temperature=-55°C, Power=250mW, Tolerance=1%, Mounting Technology=SMD, RoHS Compliant=Yes
R12A R12B R12C: library part "Resistor     0006-1", "Fixed Resistor, Metal Glaze/thick Film, 0.1W, 4220ohm, 75V, 1% +/-Tol, 100ppm/Cel, Surface Mount, 0603", Case/Package=0603, Max Operating Temperature=155°C, Min Operating Temperature=-55°C, Power=100mW, Tolerance=1%, Mounting Technology=SMD, RoHS Compliant=Yes
R13: library part "Resistor     0016-2", "Fixed Resistor, Wire Wound, 10W, 220ohm, 750V, 5% +/-Tol, 300ppm/Cel, Through Hole Mount", Case/Package=Axial, Max Operating Temperature=155°C, Min Operating Temperature=-55°C, Power=10W, Tolerance=5%, Mounting Technology=TH, Pins=2, RoHS Compliant=Yes
R14 R16: library part CMP-058-000021-5, "RES 220 OHM 1/16W 1% 0603 SMD", Case/Package=0603, Power=62.5mW, Tolerance=1%, Mounting Technology=SMD, Pins=2
R15 R17: library part CMP-009-00023-8, "Chip Resistor, 100 KOhm, +/- 1%, 0.1 W, -55 to 155 degC, 0603 (1608 Metric)", Case/Package=0603, Max Operating Temperature=155°C, Min Operating Temperature=-55°C, Power=100mW, Tolerance=1%, Voltage Rating=50V, Mounting Technology=SMD, Pins=2, RoHS Compliant=True
R18 R19 R20 R21 R22 R23: library part CMP-058-000005-5, "RES 1K OHM 1/16W 1% 0603 SMD", Case/Package=0603, Power=62.5mW, Tolerance=1%, Mounting Technology=SMD, Pins=2
R24: library part CMP-058-000017-6, "RES 10K OHM 1/16W 1% 0603 SMD", Case/Package=0603, Power=62.5mW, Tolerance=1%, Mounting Technology=SMD, Pins=2
SW1 SW2: library part CMP-050-000002-1, "SWITCH TACT 6MM BLACK 160GF", Package="6mm x 6mm", Design Item ID=SW_TACT_SWITCH_6x6, Source=misc.SchLib, SVP Creator="Spencer Berglund"
TP1 TP2 TP3 TP4 TP8: library part CMP-113-000002-1, Design Item ID="TEST POINT PC MINI .040\"D WHITE", Source=Common.SchLib
TP5 TP6 TP7: library part CMP-054-000001-1, Design Item ID="TEST POINT PC MINI .040\"D BLACK", Source=misc.SchLib
U1 U2: library part CMP-00024-00007-1, "2A gat driver", Max Operating Temperature=125°C, Min Operating Temperature=-40°C, Pins=8, RoHS Compliant=Yes
U3: library part CMP-002-00132-2, "Strip Terminal Block, 12A, 1 Row(s), 1 Deck(s)", Case/Package=SIP-4, Max Current Rating=12A, Voltage Rating=250V, Connector Type=Header, Gender=Male, Mounting Technology=TH, Pins=4, Plug=1110583, RoHS Compliant=Yes
U4 U5: library part CMP-010-00029-1, "Automotive, precision isolated current sensor with internal reference 8-SOIC -40 to 125", Case/Package=8-SOIC, Max Operating Temperature=125°C, Max Supply Voltage=5.5V, Min Operating Temperature=-40°C, Min Supply Voltage=3, Nominal Supply Current=26mA, Nominal Supply Voltage=3.3V, Mounting Technology=SMD, Pins=8, RoHS Compliant=Yes, Sensor Type=Hall
U6: library part CMP-00014-7, "RISC Microcontroller, 32-Bit, 170MHz", Case/Package=LQFP100, Frequency=170Hz, Nominal Supply Voltage=3.3V, Interface=JTAG, Mounting Technology=SMD, Pins=100, RAM Size=128, RoHS Compliant=Yes
U7: library part CMP-015-00019-2, "MIL-STD-1553 Data Bus Transceiver, PDSO16. Isolated CANFD transceiver", Case/Package=SOIC-16, Max Operating Temperature=125°C, Max Supply Voltage=5.5V, Min Operating Temperature=-45°C, Min Supply Voltage=1.7V, Nominal Supply Voltage=5V, Mounting Technology=SMD, Pins=16, RoHS Compliant=Yes
U8: library part CMP-019-00059-1, "DC-DC Regulated Power Supply Module, 1 Output, 2.5W, Hybrid", Case/Package=SIP-3, Max Operating Temperature=71°C, Max Supply Voltage=32V, Min Operating Temperature=-40°C, Min Supply Voltage=6.5V, Output Current=500mA, Output Voltage=5V, Mounting Technology=TH, Pins=3, RoHS Compliant=Yes
U9: library part CMP-019-00061-4, "DC/DC converter 18...75 VDC 5 VDC, DJ06S4805A, Delta-Electronics", Case/Package=DIP, Max Operating Temperature=85°C, Max Supply Voltage=36V, Min Operating Temperature=-40°C, Min Supply Voltage=18V, Output Current=1.2A, Output Voltage=5V, Mounting Technology=TH, Pins=8, RoHS Compliant=Yes
U10: library part CMP-019-00064-1, "DC-DC Unregulated Power Supply Module, 1 Output, 2W, Hybrid", Case/Package=4-SIP, Max Operating Temperature=85°C, Max Supply Voltage=5V, Min Operating Temperature=-40°C, Min Supply Voltage=4.5V, Output Current=133mA, Output Voltage=15V, Mounting Technology=TH, Pins=4, RoHS Compliant=Yes